# KiCad board pq-register.kicad_pcb (continued)
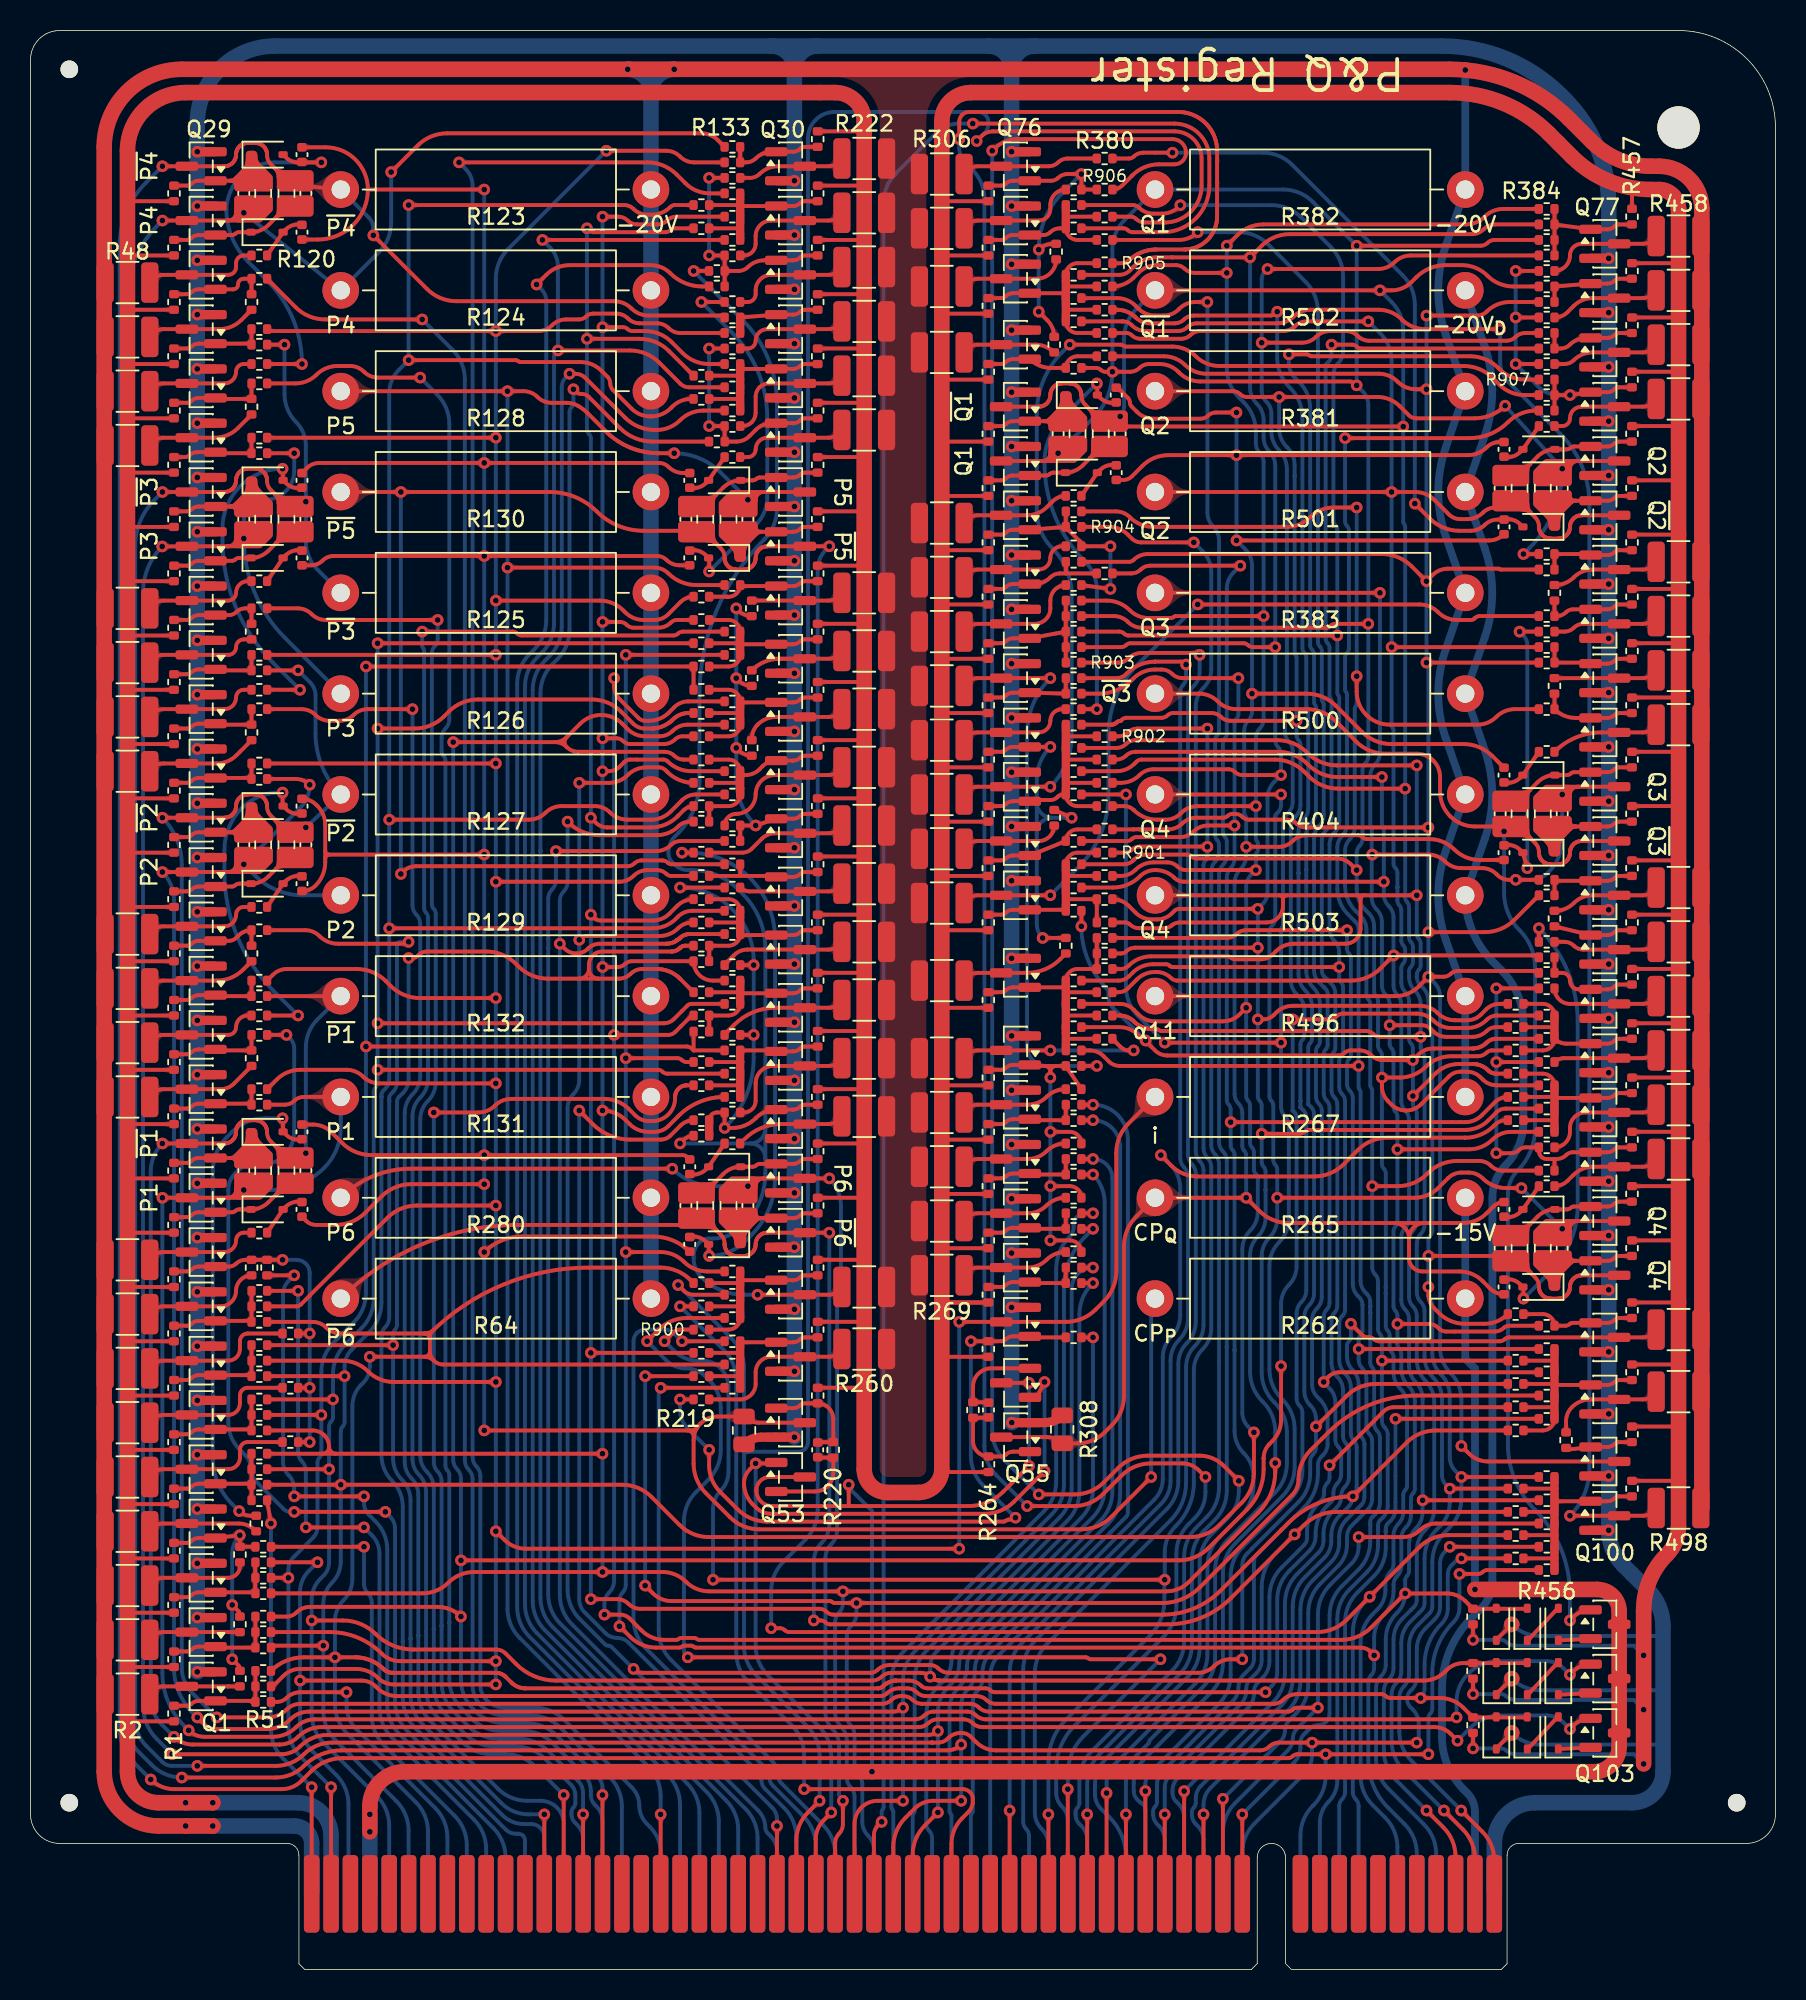
[diagram p0: board, top side]
## Routing (per net, layer and track width the routed paths; a pad name or vN(x,y) marks a point on that pad's centre or on a via; arc(x,y) is an arc through that point) (continued)
Net-(CR9-K): length 8.3
  Top w0.254: 44.88,96.57 44.89,96.58 44.88,96.57 ; 44.88,96.57 arc(44.68,96.44) 44.45,96.39 ; 44.88,96.57 arc(44.75,96.37) 44.7,96.14 ; 48.89,97.72 49.95,97.72 arc(50.21,97.77) 50.42,97.92 arc(50.56,98.01) 50.72,98.04 R233.1 ; 48.89,97.72 48.8,97.72 ; 48.89,97.72 arc(48.85,97.73) 48.81,97.76 ; 48.8,97.72 47.76,97.72 arc(47.64,97.7) 47.55,97.64 arc(47.44,97.56) 47.3,97.54 CR9.1 arc(45.9,97.41) 45.37,97.06 44.9,96.59 ; 48.8,97.72 arc(48.82,97.74) 48.81,97.76 ; 48.81,97.76 48.78,97.79
Net-(CR10-A): length 23.9
  Top w0.254: v1(43.94,109.22) R144.2 ; v1(44.45,91.57) 44.45,92.37 arc(44.44,92.42) CR10.2 ; 44.24,92.63 arc(43.87,92.88) 43.43,92.96
  Bottom w0.254: v1(44.45,91.57) 47.51,94.63 arc(48.07,95.46) 48.26,96.43 48.26,101.6 arc(47.65,104.65) 45.93,107.24 v1(43.94,109.22)
Net-(CR10-K): length 7.3
  Top w0.254: 47.88,94.17 Q37.1 49.95,94.17 arc(50.21,94.22) 50.42,94.36 arc(50.56,94.45) 50.72,94.49 R234.1 ; 47.88,94.17 47.82,94.17 arc(47.59,94.26) 47.5,94.49 ; 47.88,94.17 47.5,94.17 ; 47.88,94.17 arc(47.7,94.13) 47.55,94.03 47.04,93.52 ; 46.74,92.8 arc(46.81,93.19) 47.03,93.52 ; 46.23,92.55 arc(46.16,92.89) 45.97,93.17
Net-(CR11-A): length 3
  Top w0.254: R206.1 44.49,52.68 arc(44.41,52.58) 44.33,52.49 44.24,52.41 arc(43.87,52.16) 43.43,52.07
Net-(CR11-K): length 8.3
  Top w0.254: 44.88,51.61 44.89,51.62 44.88,51.61 ; 44.88,51.61 arc(44.75,51.42) 44.7,51.18 ; 44.88,51.61 arc(44.68,51.48) 44.45,51.43 ; 48.89,52.77 49.95,52.77 arc(50.21,52.82) 50.42,52.96 arc(50.56,53.05) 50.72,53.08 R513.1 ; 48.89,52.77 48.8,52.77 ; 48.89,52.77 arc(48.85,52.77) 48.81,52.8 ; 48.8,52.77 47.76,52.77 arc(47.64,52.74) 47.55,52.68 arc(47.44,52.6) 47.3,52.58 CR11.1 arc(45.9,52.46) 45.37,52.1 44.9,51.63 ; 48.8,52.77 arc(48.82,52.78) 48.81,52.8 ; 48.81,52.8 48.78,52.83
Net-(CR12-A): length 34.8
  Top w0.254: v1(44.45,46.74) CR12.2 ; v1(42.67,73.15) R181.2 ; 44.24,47.67 arc(43.87,47.92) 43.43,48.01
  Bottom w0.254: v1(42.67,73.15) 43.13,73.15 arc(45.29,72.72) 47.12,71.5 arc(48.34,69.67) 48.77,67.52 48.77,51.81 arc(48.37,49.82) 47.24,48.13 46.83,47.72 arc(45.74,46.99) v1(44.45,46.74)
Net-(CR12-K): length 7.3
  Top w0.254: R512.1 50.72,49.53 arc(50.56,49.5) 50.42,49.4 arc(50.21,49.26) 49.95,49.21 Q49.1 47.88,49.21 ; 47.04,48.56 47.55,49.07 arc(47.7,49.17) 47.88,49.21 ; 47.88,49.21 47.5,49.21 ; 47.88,49.21 47.82,49.21 arc(47.59,49.3) 47.5,49.53 ; 46.23,47.6 arc(46.16,47.93) 45.97,48.21 ; 46.74,47.84 arc(46.81,48.23) 47.03,48.56
Net-(CR13-A): length 3
  Top w0.254: R362.1 69.81,97.94 arc(69.89,98.04) 69.97,98.13 70.06,98.22 arc(70.43,98.46) 70.87,98.55
Net-(CR13-K): length 8.3
  Top w0.254: 69.42,99.01 69.41,99 69.42,99.01 ; 69.42,99.01 arc(69.55,99.21) 69.6,99.44 ; 69.42,99.01 arc(69.62,99.14) 69.85,99.19 ; 65.41,97.86 65.5,97.86 ; 65.41,97.86 64.35,97.86 arc(64.09,97.81) 63.88,97.66 arc(63.74,97.57) 63.58,97.54 R297.1 ; 65.41,97.86 arc(65.45,97.85) 65.49,97.82 ; 65.5,97.86 66.54,97.86 arc(66.66,97.88) 66.75,97.94 arc(66.86,98.02) 67,98.04 CR13.1 arc(68.4,98.17) 68.93,98.52 69.4,98.99 ; 65.5,97.86 arc(65.48,97.84) 65.49,97.82 ; 65.49,97.82 65.52,97.79
Net-(CR14-A): length 26.2
  Top w0.254: v1(69.85,82.55) R350.2 ; v1(69.85,103.89) CR14.2 ; 70.06,102.95 arc(70.43,102.7) 70.87,102.62
  Bottom w0.254: v1(69.85,103.89) 67.63,101.67 arc(66.74,100.33) 66.42,98.74 66.42,98.64 arc(67.11,95.16) 69.09,92.2 arc(69.65,91.36) 69.85,90.36 v1(69.85,82.55)
Net-(CR14-K): length 7.3
  Top w0.254: 66.42,101.41 66.48,101.41 arc(66.71,101.32) 66.8,101.09 ; 66.42,101.41 66.8,101.41 ; 66.42,101.41 Q72.1 64.35,101.41 arc(64.09,101.36) 63.88,101.22 arc(63.74,101.13) 63.58,101.09 R298.1 ; 66.42,101.41 arc(66.6,101.45) 66.75,101.55 67.26,102.06 ; 67.56,102.78 arc(67.49,102.39) 67.27,102.06 ; 68.07,103.03 arc(68.14,102.69) 68.33,102.41
Net-(CR15-A): length 3
  Top w0.254: R397.1 97.83,99.67 arc(97.75,99.57) 97.67,99.48 97.58,99.4 arc(97.21,99.15) 96.77,99.06
Net-(CR15-K): length 8.3
  Top w0.254: 102.23,99.76 102.14,99.76 ; 102.23,99.76 103.29,99.76 arc(103.55,99.81) 103.76,99.95 arc(103.9,100.04) 104.06,100.07 R465.1 ; 102.23,99.76 arc(102.19,99.76) 102.15,99.79 ; 102.14,99.76 101.1,99.76 arc(100.98,99.73) 100.89,99.67 arc(100.78,99.59) 100.64,99.57 CR15.1 arc(99.24,99.45) 98.71,99.09 98.24,98.62 ; 102.14,99.76 arc(102.16,99.77) 102.15,99.79 ; 98.22,98.6 98.23,98.61 98.22,98.6 ; 98.22,98.6 arc(98.09,98.41) 98.04,98.17 ; 98.22,98.6 arc(98.02,98.47) 97.79,98.42 ; 102.15,99.79 102.12,99.82
Net-(CR16-A): length 45
  Top w0.254: v1(90.68,96.01) 91.65,95.04 arc(92.54,94.44) 93.6,94.23 94.33,94.23 arc(94.83,94.33) 95.25,94.61 arc(95.64,94.88) 96.1,94.97 C33.1 ; R380.2 71.96,118.62 arc(72.12,118.65) 72.26,118.74 arc(72.54,118.93) 72.88,119 v1(74.8,119) ; 97.58,94.66 arc(97.21,94.91) 96.77,95
  Bottom w0.254: v1(90.68,96.01) 90.68,109.04 arc(90.47,110.08) 89.88,110.97 82.65,118.2 arc(81.76,118.79) 80.72,119 v1(74.8,119)
Net-(CR16-K): length 7.3
  Top w0.254: 101.22,96.2 101.16,96.2 arc(100.93,96.29) 100.84,96.52 ; 101.22,96.2 Q82.1 103.29,96.2 arc(103.55,96.25) 103.76,96.39 arc(103.9,96.49) 104.06,96.52 R466.1 ; 101.22,96.2 100.84,96.2 ; 101.22,96.2 arc(101.04,96.16) 100.89,96.06 100.38,95.55 ; 99.57,94.59 arc(99.5,94.92) 99.31,95.2 ; 100.08,94.83 arc(100.15,95.22) 100.37,95.55
Net-(CR17-A): length 3
  Top w0.254: R410.1 97.83,78.33 arc(97.75,78.24) 97.67,78.15 97.58,78.06 arc(97.21,77.81) 96.77,77.72
Net-(CR17-K): length 8.3
  Top w0.254: 102.14,78.42 101.1,78.42 arc(100.98,78.4) 100.89,78.33 arc(100.78,78.26) 100.64,78.23 CR17.1 arc(99.24,78.11) 98.71,77.76 98.24,77.28 ; 102.14,78.42 102.23,78.42 ; 102.14,78.42 arc(102.16,78.43) 102.15,78.45 ; 98.22,77.27 98.23,77.27 98.22,77.27 ; 98.22,77.27 arc(98.02,77.14) 97.79,77.09 ; 98.22,77.27 arc(98.09,77.07) 98.04,76.83 ; 102.23,78.42 103.29,78.42 arc(103.55,78.47) 103.76,78.61 arc(103.9,78.71) 104.06,78.74 R475.1 ; 102.23,78.42 arc(102.19,78.43) 102.15,78.45 ; 102.15,78.45 102.12,78.49
Net-(CR18-A): length 18.9
  Top w0.254: v1(98.04,72.14) CR18.2 ; v1(97.54,87.63) R405.2 ; 97.58,73.32 arc(97.21,73.57) 96.77,73.66
  Bottom w0.254: v1(98.04,72.14) 98.04,86.76 arc(97.98,87.09) 97.79,87.38 v1(97.54,87.63)
Net-(CR18-K): length 7.3
  Top w0.254: R476.1 104.06,75.18 arc(103.9,75.15) 103.76,75.06 arc(103.55,74.91) 103.29,74.86 Q88.1 101.22,74.86 ; 101.22,74.86 100.84,74.86 ; 101.22,74.86 101.16,74.86 arc(100.93,74.96) 100.84,75.18 ; 101.22,74.86 arc(101.04,74.83) 100.89,74.73 100.38,74.22 ; 99.57,73.25 arc(99.5,73.58) 99.31,73.86 ; 100.08,73.49 arc(100.15,73.88) 100.37,74.21
Net-(CR19-A): length 3
  Top w0.254: R434.1 97.83,49.88 arc(97.75,49.79) 97.67,49.7 97.58,49.61 arc(97.21,49.36) 96.77,49.28
Net-(CR19-K): length 8.3
  Top w0.254: 102.23,49.97 103.29,49.97 arc(103.55,50.02) 103.76,50.16 arc(103.9,50.26) 104.06,50.29 R489.1 ; 102.23,49.97 102.14,49.97 ; 102.23,49.97 arc(102.19,49.98) 102.15,50 ; 98.24,48.84 98.71,49.31 arc(99.24,49.66) CR19.1 100.64,49.78 arc(100.78,49.81) 100.89,49.89 arc(100.98,49.95) 101.1,49.97 102.14,49.97 ; 102.14,49.97 arc(102.16,49.98) 102.15,50 ; 98.22,48.82 98.23,48.83 98.22,48.82 ; 98.22,48.82 arc(98.02,48.69) 97.79,48.64 ; 98.22,48.82 arc(98.09,48.62) 98.04,48.39 ; 102.15,50 102.12,50.04
Net-(CR20-A): length 28.7
  Top w0.254: R416.2 98.8,68.2 arc(98.8,68.2) 98.8,68.2 v1(98.81,68.2) ; v1(97.79,43.94) 97.79,44.62 arc(97.78,44.67) CR20.2 ; 97.58,44.88 arc(97.21,45.12) 96.77,45.21
  Bottom w0.254: v1(97.79,43.94) 99.55,45.7 arc(100.88,47.69) 101.35,50.04 101.35,62.07 arc(100.69,65.39) v1(98.81,68.2)
Net-(CR20-K): length 7.3
  Top w0.254: 101.22,46.42 101.16,46.42 arc(100.93,46.51) 100.84,46.74 ; 101.22,46.42 Q96.1 103.29,46.42 arc(103.55,46.47) 103.76,46.61 arc(103.9,46.7) 104.06,46.73 R490.1 ; 101.22,46.42 100.84,46.42 ; 101.22,46.42 arc(101.04,46.38) 100.89,46.28 100.38,45.77 ; 99.57,44.8 arc(99.5,45.13) 99.31,45.42 ; 100.08,45.05 arc(100.15,45.43) 100.37,45.76
Net-(CR22-K): length 2.9
  Top w0.254: 98.08,21.56 100.04,23.66
Net-(CR23-K): length 2.1
  Top w0.254: 100.11,21.56 Q101.2
Net-(CR26-K): length 2.9
  Top w0.254: 98.08,18 100.04,20.1
Net-(CR27-K): length 2.1
  Top w0.254: 100.11,18 Q102.2
Net-(CR28-K): length 2.9
  Top w0.254: 98.08,14.44 100.04,16.54
Net-(CR29-K): length 2.1
  Top w0.254: 100.11,14.44 Q103.2
Net-(Q1-B): length 7.2
  Top w0.254: R1.1 10.24,17.27 arc(10.4,17.31) 10.54,17.4 arc(10.75,17.54) 11.01,17.59 Q1.1 14.36,17.59 arc(14.41,17.58) 14.44,17.56 14.48,17.53 ; R51.2 R53.2
Net-(Q1-C): length 6.1
  Top w0.254: R54.1 12.96,18.54 arc(12.96,18.54) 12.95,18.54 arc(12.95,18.54) 12.95,18.54 Q1.3 8.68,18.54 arc(8.35,18.48) 8.07,18.29 R2.2
Net-(Q2-B): length 7.6
  Top w0.254: 14.68,21.08 12.23,21.08 arc(12.18,21.09) 12.15,21.11 arc(12.11,21.14) 12.07,21.15 11.01,21.15 arc(10.75,21.1) 10.54,20.95 arc(10.4,20.86) 10.24,20.83 R3.1 ; 14.68,21.08 arc(14.7,21.09) 14.7,21.11 ; 14.68,21.08 arc(14.72,21.1) 14.73,21.13 ; 14.73,21.13 R57.2 ; 14.73,21.13 arc(14.72,21.11) 14.7,21.11 ; 14.7,21.11 14.66,21.15
Net-(Q2-C): length 6.1
  Top w0.254: R4.2 8.07,21.84 arc(8.35,22.03) 8.68,22.1 Q2.3 12.95,22.1 arc(12.95,22.1) 12.95,22.1 arc(12.96,22.1) 12.96,22.1 R58.1
Net-(Q3-B): length 7.4
  Top w0.254: R5.1 10.24,24.39 arc(10.4,24.42) 10.54,24.51 arc(10.75,24.65) 11.01,24.7 Q3.1 14.66,24.7 ; 14.71,24.64 14.71,26.67
Net-(Q3-C): length 6.8
  Top w0.254: R6.2 8.07,25.4 arc(8.35,25.59) 8.68,25.65 Q3.3 12.95,25.65 arc(13.49,25.88) 13.72,26.42 R62.1
Net-(Q4-B): length 16.3
  Top w0.254: R62.2 v1(13.71,28.44) Q4.1 11.01,28.26 arc(10.75,28.21) 10.54,28.07 arc(10.4,27.97) 10.24,27.94 R7.1 ; R58.2 13.72,23.24 arc(13.69,23.36) 13.63,23.46 v1(13.21,23.88) ; v1(13.21,20.32) 13.63,19.9 arc(13.69,19.8) 13.72,19.69 R54.2 ; R63.2 13.72,27.69
  Bottom w0.254: v1(13.21,20.32) v1(13.21,23.88) 13.21,27.23 arc(13.34,27.89) v1(13.71,28.44)
Net-(Q5-B): length 8.2
  Top w0.254: R67.2 14.44,31.78 arc(14.41,31.81) 14.36,31.82 Q5.1 11.01,31.82 arc(10.75,31.77) 10.54,31.62 arc(10.4,31.53) 10.24,31.5 R9.1 ; R66.2 R69.2
Net-(Q5-C): length 10.1
  Top w0.254: R10.2 8.07,32.51 arc(8.35,32.7) 8.68,32.77 Q5.3 12.95,32.77 arc(13.49,32.99) 13.72,33.53 13.72,34.04 arc(13.86,34.4) 14.22,34.54 R70.1
Net-(Q6-B): length 7.2
  Top w0.254: R73.2 14.48,35.35 arc(14.46,35.33) 14.44,35.34 arc(14.41,35.36) 14.36,35.37 Q6.1 11.01,35.37 arc(10.75,35.32) 10.54,35.18 arc(10.4,35.09) 10.24,35.05 R11.1
Net-(Q6-C): length 10.1
  Top w0.254: R74.1 14.22,38.1 arc(13.86,37.95) 13.72,37.59 13.72,37.08 arc(13.49,36.55) 12.95,36.32 Q6.3 8.68,36.32 arc(8.35,36.26) 8.07,36.07 R12.2
Net-(Q7-B): length 7.2
  Top w0.254: R13.1 10.24,38.61 arc(10.4,38.64) 10.54,38.73 arc(10.75,38.88) 11.01,38.93 Q7.1 14.36,38.93 arc(14.41,38.92) 14.44,38.89 arc(14.46,38.89) 14.48,38.91 R77.2
Net-(Q7-C): length 10.1
  Top w0.254: R14.2 8.07,39.62 arc(8.35,39.81) 8.68,39.88 Q7.3 12.95,39.88 arc(13.49,40.1) 13.72,40.64 13.72,41.15 arc(13.86,41.51) 14.22,41.66 R78.1
Net-(Q8-B): length 7.2
  Top w0.254: R81.2 14.48,42.46 arc(14.46,42.45) 14.44,42.45 arc(14.41,42.48) 14.36,42.48 Q8.1 11.01,42.48 arc(10.75,42.43) 10.54,42.29 arc(10.4,42.2) 10.24,42.17 R15.1
Net-(Q8-C): length 8
  Top w0.254: R16.2 8.07,43.18 arc(8.35,43.37) 8.68,43.43 Q8.3 12.45,43.43 arc(13.16,43.73) 13.46,44.45 arc(13.76,45.17) 14.48,45.46 R82.1
Net-(Q9-B): length 23.3
  Top w0.254: v1(18.29,34.54) R70.2 ; 14.86,46.48 R83.2 arc(15.5,46.48) 15.5,46.48 v1(16.51,46.48) ; 14.86,46.48 14.61,46.48 ; 14.86,46.48 14.61,46.48 ; R17.1 10.24,45.72 arc(10.4,45.75) 10.54,45.85 arc(10.75,45.99) 11.01,46.04 Q9.1 13.01,46.04 arc(13.25,46.09) 13.46,46.23 arc(13.75,46.42) 14.08,46.48 14.61,46.48 ; v1(18.29,38.1) R74.2 ; 14.61,46.48 R82.2 ; v1(18.29,41.66) R78.2
  Bottom w0.254: v1(18.29,34.54) 18.29,45.61 arc(18.22,45.95) 18.03,46.23 arc(17.75,46.42) 17.42,46.48 v1(16.51,46.48)
Net-(Q12-B): length 6.2
  Top w0.254: R21.1 10.24,56.39 arc(10.4,56.42) 10.54,56.51 arc(10.75,56.66) 11.01,56.71 Q12.1 14.32,56.71 arc(14.4,56.69) R87.2 R88.2
Net-(Q12-C): length 7.4
  Top w0.254: R22.2 8.07,57.4 arc(8.35,57.59) 8.68,57.66 Q12.3 12.45,57.66 arc(12.92,57.75) 13.32,58.02 R89.1
Net-(Q13-B): length 6.1
  Top w0.254: R23.1 10.24,59.95 arc(10.4,59.98) 10.54,60.07 arc(10.75,60.21) 11.01,60.26 Q13.1 ; R90.2 14.48,60.2 12.18,60.2
Net-(Q14-B): length 6.1
  Top w0.254: Q14.1 11.01,63.82 arc(10.75,63.77) 10.54,63.63 arc(10.4,63.53) 10.24,63.5 R25.1 ; 12.18,63.75 R92.2 R93.2
Net-(Q14-C): length 7.3
  Top w0.254: R94.1 13.93,65.49 arc(13.13,64.96) 12.19,64.77 Q14.3 8.68,64.77 arc(8.35,64.7) 8.07,64.52 R26.2
Net-(Q15-B): length 6.4
  Top w0.254: 14.48,67.06 R95.2 arc(14.01,67.98) 13.61,67.71 13.46,67.56 arc(13.25,67.42) 13.01,67.38 Q15.1 11.01,67.38 arc(10.75,67.33) 10.54,67.18 arc(10.4,67.09) 10.24,67.06 R27.1
Net-(Q18-B): length 6.2
  Top w0.254: R31.1 10.24,77.73 arc(10.4,77.76) 10.54,77.85 arc(10.75,77.99) 11.01,78.04 Q18.1 14.32,78.04 arc(14.4,78.03) R99.2 R100.2
Net-(Q18-C): length 7.4
  Top w0.254: R32.2 8.07,78.74 arc(8.35,78.93) 8.68,78.99 Q18.3 12.19,78.99 arc(12.9,79.13) 13.49,79.53 14.47,80.51 arc(14.47,80.51) 14.48,80.52 R101.1
Net-(Q19-B): length 6.1
  Top w0.254: 12.18,81.53 14.48,81.53 R102.2 ; R33.1 10.24,81.28 arc(10.4,81.31) 10.54,81.41 arc(10.75,81.55) 11.01,81.6 Q19.1
Net-(Q20-B): length 6.1
  Top w0.254: R35.1 10.24,84.84 arc(10.4,84.87) 10.54,84.96 arc(10.75,85.11) 11.01,85.16 Q20.1 ; R105.2 R104.2 12.18,85.09
Net-(Q20-C): length 7.4
  Top w0.254: R36.2 8.07,85.85 arc(8.35,86.04) 8.68,86.11 Q20.3 12.95,86.11 arc(13.31,86.25) 13.46,86.61 arc(13.61,86.97) 13.97,87.12 R106.1
Net-(Q21-B): length 6.3
  Top w0.254: R37.1 10.24,88.39 arc(10.4,88.43) 10.54,88.52 arc(10.75,88.66) 11.01,88.71 Q21.1 13.01,88.71 arc(13.25,88.76) 13.46,88.9 arc(13.74,89.09) 14.08,89.15 R107.2 14.48,88.14 arc(14.48,88.14) R106.2
Net-(Q24-B): length 6.2
  Top w0.254: R112.2 R111.2 12.18,99.31 arc(12.13,99.33) Q24.1 10.88,99.38 arc(10.63,99.33) 10.41,99.19 arc(10.28,99.09) 10.11,99.06 R41.1
Net-(Q24-C): length 7.4
  Top w0.254: R113.1 14.48,101.85 arc(14.47,101.85) 14.47,101.85 13.58,100.96 arc(12.89,100.49) 12.06,100.33 Q24.3 8.68,100.33 arc(8.35,100.26) 8.07,100.08 R42.2
Net-(Q25-B): length 6.1
  Top w0.254: Q25.1 11.01,102.94 arc(10.75,102.89) 10.54,102.74 arc(10.4,102.65) 10.24,102.62 R43.1 ; R114.2 14.48,102.87 12.18,102.87
Net-(Q26-B): length 6.2
  Top w0.254: R117.2 R116.2 arc(14.46,106.47) 14.41,106.49 Q26.1 11.01,106.49 arc(10.75,106.44) 10.54,106.3 arc(10.4,106.21) 10.24,106.17 R45.1
Net-(Q26-C): length 7.3
  Top w0.254: R118.1 14.48,108.71 13.81,108.04 arc(13.14,107.6) 12.36,107.44 Q26.3 8.68,107.44 arc(8.35,107.38) 8.07,107.19 R46.2
Net-(Q27-B): length 6.6
  Top w0.254: R47.1 10.24,109.73 arc(10.4,109.76) 10.54,109.85 arc(10.75,110) 11.01,110.05 Q27.1 13.27,110.05 arc(13.5,110.14) 13.59,110.36 arc(13.7,110.63) 13.97,110.74 R119.2 14.48,109.73
Net-(Q30-B): length 6.4
  Top w0.254: R133.2 R134.2 46.88,118.36 arc(47.22,118.43) 47.5,118.62 arc(47.99,118.95) 48.57,119.06 49.95,119.06 arc(50.21,119.11) 50.42,119.25 arc(50.56,119.35) 50.72,119.38 R221.1
Net-(Q30-C): length 7
  Top w0.254: R135.1 47.14,117.35 arc(47.47,117.41) 47.75,117.6 arc(48.31,117.98) 48.98,118.11 Q30.3 52.28,118.11 arc(52.61,118.18) 52.89,118.36 R222.2
Net-(Q31-B): length 12.3
  Top w0.254: R223.1 50.72,115.82 arc(50.56,115.79) 50.42,115.7 arc(50.21,115.55) 49.95,115.5 Q31.1 46.48,115.5 ; 46.48,114.05 R139.2 ; 46.48,115.57 R137.2
  Top w0.54: R136.2 R140.2
Net-(Q31-C): length 8.4
  Top w0.254: R224.2 52.89,114.81 arc(52.61,114.62) 52.28,114.55 Q31.3 48.51,114.55 arc(47.8,114.26) 47.5,113.54 47.5,113.03 arc(47.27,112.49) 46.74,112.27 R141.1
Net-(Q32-B): length 15.5
  Top w0.254: R142.2 46.38,111.25 arc(46.71,111.32) 46.99,111.51 arc(47.48,111.83) 48.06,111.95 Q32.1 49.95,111.95 arc(50.21,112) 50.42,112.14 arc(50.56,112.23) 50.72,112.27 R225.1 ; R142.2 R143.2 ; R142.2 45.47,112.26 arc(45.47,112.27) R141.2 v1(44.45,112.27) ; v1(44.45,117.35) R135.2
  Bottom w0.254: v1(44.45,117.35) v1(44.45,112.27)
Net-(Q33-B): length 6.1
  Top w0.254: R227.1 50.72,108.71 arc(50.56,108.68) 50.42,108.58 arc(50.21,108.44) 49.95,108.39 Q33.1 46.61,108.21 arc(46.52,108.17) 46.48,108.08
  Top w0.54: 46.48,108.08 R146.2
Net-(Q33-C): length 7.6
  Top w0.254: R147.1 46.99,106.17 arc(47.35,106.32) 47.5,106.68 arc(47.72,107.22) 48.26,107.44 Q33.3 52.28,107.44 arc(52.61,107.51) 52.89,107.7 R228.2
Net-(Q34-B): length 12.3
  Top w0.254: R229.1 50.72,105.15 arc(50.56,105.12) 50.42,105.03 arc(50.21,104.89) 49.95,104.84 Q34.1 46.64,104.84 ; R149.2 46.23,104.39 arc(46.41,104.47) 46.48,104.65 ; 46.48,102.87 R151.2
  Top w0.54: R148.2 R152.2
Net-(Q34-C): length 8.9
  Top w0.254: R230.2 52.89,104.14 arc(52.61,103.95) 52.28,103.89 Q34.3 48.37,103.89 arc(48.03,103.82) 47.75,103.63 arc(47.56,103.35) 47.5,103.02 47.5,101.96 arc(47.43,101.63) 47.24,101.35 arc(46.96,101.16) 46.63,101.09 R153.1
Net-(Q35-B): length 14.7
  Top w0.254: v1(44.45,106.17) R147.2 ; 45.46,100.08 R153.2 v1(44.45,101.09) ; R231.1 50.72,101.6 arc(50.56,101.57) 50.42,101.47 arc(50.21,101.33) 49.95,101.28 48.57,101.28 arc(47.99,101.17) 47.5,100.84 47.1,100.44 arc(46.7,100.17) 46.23,100.08 R154.2
  Bottom w0.254: v1(44.45,101.09) v1(44.45,106.17)
Net-(Q38-B): length 7.7
  Top w0.254: R159.2 45.58,89.92 arc(45.59,89.92) 45.61,89.92 arc(45.62,89.92) 45.63,89.91 45.65,89.91 arc(45.67,89.91) 45.69,89.91 45.71,89.91 arc(46.26,90.13) R158.2 46.52,90.64 arc(46.55,90.62) 46.6,90.61 Q38.1 49.95,90.61 arc(50.21,90.66) 50.42,90.8 arc(50.56,90.9) 50.72,90.93 R235.1
Net-(Q38-C): length 6.1
  Top w0.254: R160.1 50.72,89.66 arc(50.72,89.66) Q38.3 52.28,89.66 arc(52.61,89.73) 52.89,89.92 R236.2
Net-(Q39-B): length 13.7
  Top w0.254: R237.1 50.72,87.12 arc(50.56,87.09) 50.42,86.99 arc(50.21,86.85) 49.95,86.8 Q39.1 46.55,86.8 arc(46.5,86.82) 46.48,86.87 R163.2 ; R165.2 45.72,85.34 arc(46.26,85.57) R164.2 ; R161.2 45.72,88.39 arc(46.26,88.17) R162.2
  Top w0.54: R162.2 R164.2
Net-(Q39-C): length 8.2
  Top w0.254: R238.2 52.89,86.11 arc(52.61,85.92) 52.28,85.85 Q39.3 ; Q39.3 49.08,85.85 arc(48.09,85.65) R166.1 ; Q39.3 48.77,85.85
Net-(Q40-B): length 13.7
  Top w0.254: 46.48,82.3 R169.2 ; R239.1 50.72,83.31 arc(50.56,83.28) 50.42,83.18 arc(50.21,83.04) 49.95,82.99 Q40.1 46.64,82.99 arc(46.56,83.01) R168.2 arc(46.26,83.6) 45.72,83.82 R167.2 ; R171.2 45.72,80.77 arc(46.26,81) R170.2
  Top w0.54: R170.2 R168.2
Net-(Q40-C): length 6.9
  Top w0.254: R240.2 52.89,82.3 arc(52.61,82.11) 52.28,82.04 Q40.3 48.85,82.04 arc(48.19,81.91) 47.62,81.53 arc(47.34,81.11) 47.24,80.61 R172.1
Net-(Q41-B): length 15
  Top w0.254: R173.2 45.72,79.25 arc(46.26,79.02) R174.2 ; R241.1 50.72,79.5 arc(50.56,79.47) 50.42,79.37 arc(50.21,79.23) 49.95,79.18 Q41.1 arc(48.36,79.09) 47.95,78.81 47.75,78.61 arc(47.33,78.33) 46.83,78.23 46.48,78.23 ; 46.48,77.72 R175.2 ; R178.2 R177.2 45.72,76.2 arc(46.26,76.42) R176.2
  Top w0.54: R174.2 46.48,77.34 ; 46.48,77.34 R176.2 ; 46.48,77.34 46.48,77.35
Net-(Q41-C): length 9.7
  Top w0.254: R242.2 52.89,78.49 arc(52.61,78.3) 52.28,78.23 Q41.3 48.77,78.23 arc(47.87,77.86) 47.5,76.96 arc(47.13,76.06) 46.23,75.69 46.23,75.69 arc(45.69,75.47) R179.1
Net-(Q42-B): length 24.3
  Top w0.254: R243.1 50.72,75.69 arc(50.56,75.66) 50.42,75.56 arc(50.21,75.42) 49.95,75.37 Q42.1 v1(47.5,74.93) R179.2 R180.2 ; v1(46.23,89.15) 46.38,89 arc(46.78,88.74) R160.2 ; v1(46.23,80.01) 46.38,79.86 arc(46.78,79.59) R172.2 ; v1(46.23,84.58) 46.38,84.43 arc(46.78,84.16) R166.2
  Bottom w0.254: v1(46.23,89.15) v1(46.23,84.58) v1(46.23,80.01) 46.23,78 arc(46.56,76.34) v1(47.5,74.93)
Net-(Q43-B): length 8.1
  Top w0.254: R245.1 50.72,71.88 arc(50.56,71.85) 50.42,71.75 arc(50.21,71.61) 49.95,71.56 Q43.1 arc(48.83,71.61) 48.78,71.63 46.36,71.63 ; 46.36,71.63 R183.2 ; 46.36,71.63 arc(46.45,71.67) 46.48,71.76 R182.2
Net-(Q43-C): length 6.9
  Top w0.254: R246.2 52.89,70.87 arc(52.61,70.68) 52.28,70.61 Q43.3 47.1,70.61 arc(46.77,70.68) R184.1
Net-(Q44-B): length 14.7
  Top w0.254: R247.1 50.72,68.07 arc(50.56,68.04) 50.42,67.94 arc(50.21,67.8) 49.95,67.75 Q44.1 46.55,67.75 arc(46.5,67.77) R188.2 arc(46.26,67.28) 45.72,67.06 R189.2 arc(44.45,67.06) 44.45,67.05 R190.2 ; R185.2 45.72,70.1 arc(46.26,69.88) R186.2 ; 46.48,68.58 R187.2
  Top w0.54: R186.2 R188.2
Net-(Q44-C): length 8.2
  Top w0.254: R248.2 52.89,67.06 arc(52.61,66.87) 52.28,66.8 Q44.3 arc(50.72,66.8) 50.72,66.8 46.97,66.8 arc(46.49,66.71) 46.08,66.44 45.49,65.84 arc(45.47,65.82) R191.1
Net-(Q45-B): length 13
  Top w0.254: R196.2 R195.2 45.72,62.48 arc(46.26,62.71) R194.2 ; R193.2 46.48,64.01 arc(46.5,63.96) 46.55,63.94 Q45.1 49.95,63.94 arc(50.21,63.99) 50.42,64.13 arc(50.56,64.23) 50.72,64.26 R249.1
  Top w0.54: 46.48,64.01 R192.2 R194.2
Net-(Q45-C): length 8.4
  Top w0.254: R250.2 52.89,63.25 arc(52.61,63.06) 52.28,62.99 Q45.3 48.8,62.99 arc(47.33,62.7) 46.08,61.87 45.49,61.27 arc(45.47,61.24) R197.1